# EAGLE board Mk4 Final Panel 6up 3x2 (EAGLE 9.0.1), part 10 of 18
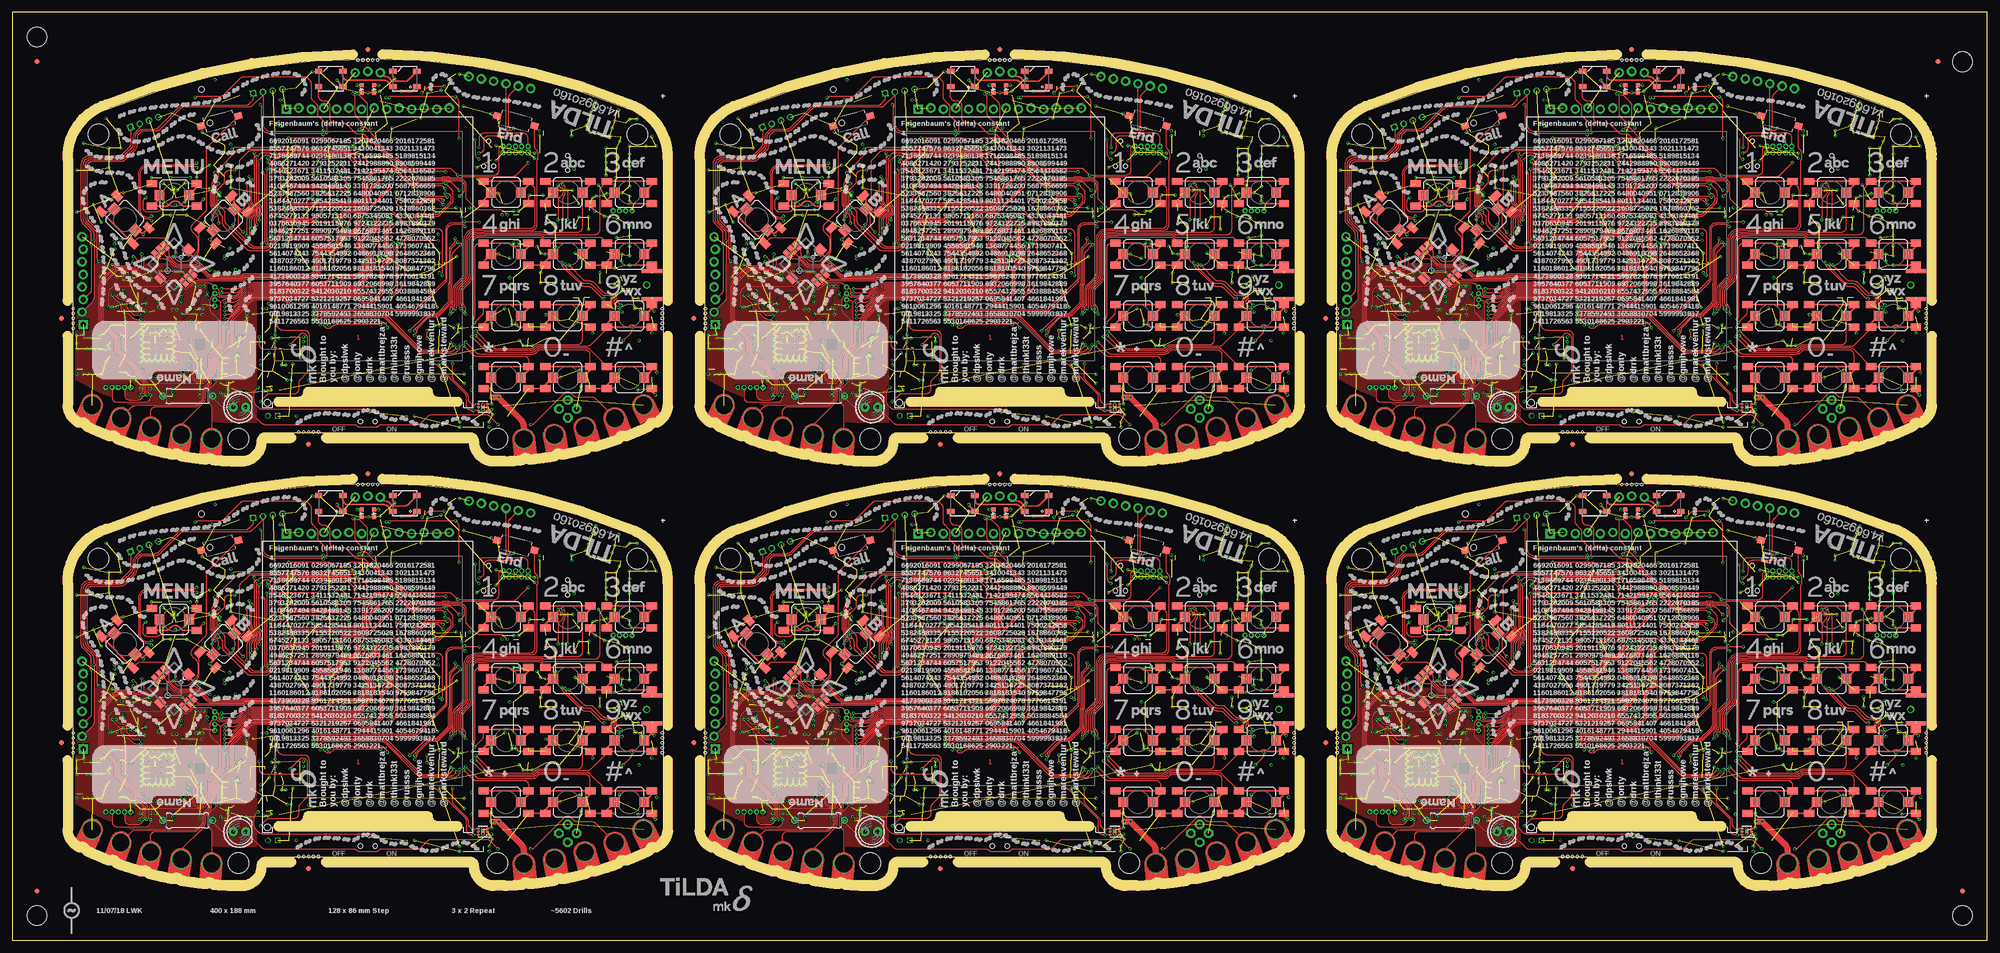
[diagram p0: board, top side]
## Tracks (layer width: path | path; a pad name or v marks a point on that pad's centre or on a via) (continued)
GND6  (via drill 0.3)  (433 unrouted) (continued)
  pour Bottom (no thermals): 299.9,112.8 299.9,110.3 arc-90 299.4,109.8 298.45,109.8 arc-90 297.95,110.3 297.95,117.65 arc-90 298.45,118.15 299.55,118.15 arc-90 300.05,117.65 300.05,114.1 arc90 300.55,113.6 301.8,113.6 301.85,113.55 301.85,112.9 301.75,112.8
  pour Top (rank 6): 268.2,137 268.2,114 arc34 305,105 305.5,105 305.5,137
GSM_ANT
  Bottom 0.4: L3.1 C72.2 123.26,49.6 arc45 122.56,49.31 121.59,48.34 arc-45 120.89,48.05 IC5.32
GSM_ANT1
  Bottom 0.4: L13.1 C173.2 251.26,49.6 arc45 250.56,49.31 249.59,48.34 arc-45 248.89,48.05 IC21.32
GSM_ANT2
  Bottom 0.4: L22.1 C281.2 123.26,135.6 arc45 122.56,135.31 121.59,134.34 arc-45 120.89,134.05 IC39.32
GSM_ANT3
  Bottom 0.4: L31.1 C389.2 251.26,135.6 arc45 250.56,135.31 249.59,134.34 arc-45 248.89,134.05 IC57.32
GSM_ANT4
  Bottom 0.4: L40.1 C497.2 379.26,49.6 arc45 378.56,49.31 377.59,48.34 arc-45 376.89,48.05 IC75.32
GSM_ANT6
  Bottom 0.4: L58.1 C713.2 379.26,135.6 arc45 378.56,135.31 377.59,134.34 arc-45 376.89,134.05 IC111.32
HDC_INT  (via drill 0.3)
  Top 0.15: v90.6,64.8 91.21,65.41 arc45 91.5,66.11 91.5,66.9 arc90 90.5,67.9 88.45,67.9 arc-45 88.31,67.96 88.2,68.07 arc45 88.06,68.12 87.54,68.12 arc45 87.4,68.07 87.29,67.96 arc-45 87.15,67.9 82.75,67.9 arc45 82.4,67.75 82.26,67.62 arc-45 81.91,67.47 81.44,67.47 arc-45 80.73,67.77 79.79,68.71 arc-45 79.5,69.41 79.5,69.53 arc45 79.21,70.23 78.31,71.13 arc45 77.96,71.28 arc-45 77.73,71.37 v77.6,71.5 | v81.5,36.6 arc-45 81.61,36.87 81.88,37.14 arc45 82.03,37.49 82.03,37.72 arc-45 82.17,38.07 84.11,40.01 arc-45 84.81,40.3 85.79,40.3 arc45 86.49,40.59 88.71,42.81 arc45 89,43.51 89,46.7 arc-45 89.03,46.77 89.1,46.83 arc45 89.12,46.9 89.12,52.81 arc-45 89.42,53.52 v90.8,54.9
  3V3@2 0.15: v90.8,54.9 90.8,57.2 89.1,58.9 89.1,64 90,64.9 90.5,64.9 v90.6,64.8
  Bottom 0.15: IC3.4 92.12,18 arc90 91.88,17.75 91.88,17.6 arc-90 91.62,17.35 90.8,17.35 arc-90 89.8,18.35 89.8,18.79 arc-45 90.09,19.49 90.34,19.74 arc-45 90.48,19.8 90.52,19.8 arc45 90.66,19.86 91.86,21.06 arc45 92.3,22.12 92.3,23.85 arc90 90.55,25.6 87.42,25.6 arc-45 86.53,25.97 81.57,30.93 arc-45 81.2,31.82 81.2,35.89 arc-45 v81.49,36.59 v81.5,36.6 | IC1.95 77.8,71.98 arc-45 v77.6,71.5
HDC_INT1  (via drill 0.3)
  Top 0.15: v218.6,64.8 219.21,65.41 arc45 219.5,66.11 219.5,66.9 arc90 218.5,67.9 216.45,67.9 arc-45 216.31,67.96 216.2,68.07 arc45 216.06,68.12 215.54,68.12 arc45 215.4,68.07 215.29,67.96 arc-45 215.15,67.9 210.75,67.9 arc45 210.4,67.75 210.26,67.62 arc-45 209.91,67.47 209.44,67.47 arc-45 208.73,67.77 207.79,68.71 arc-45 207.5,69.41 207.5,69.53 arc45 207.21,70.23 206.31,71.13 arc45 205.96,71.28 arc-45 205.73,71.37 v205.6,71.5 | v209.5,36.6 arc-45 209.61,36.87 209.88,37.14 arc45 210.03,37.49 210.03,37.72 arc-45 210.17,38.07 212.11,40.01 arc-45 212.81,40.3 213.79,40.3 arc45 214.49,40.59 216.71,42.81 arc45 217,43.51 217,46.7 arc-45 217.03,46.77 217.1,46.83 arc45 217.12,46.9 217.12,52.81 arc-45 217.42,53.52 v218.8,54.9
  3V3@2 0.15: v218.8,54.9 218.8,57.2 217.1,58.9 217.1,64 218,64.9 218.5,64.9 v218.6,64.8
  Bottom 0.15: IC35.4 220.12,18 arc90 219.88,17.75 219.88,17.6 arc-90 219.62,17.35 218.8,17.35 arc-90 217.8,18.35 217.8,18.79 arc-45 218.09,19.49 218.34,19.74 arc-45 218.48,19.8 218.52,19.8 arc45 218.66,19.86 219.86,21.06 arc45 220.3,22.12 220.3,23.85 arc90 218.55,25.6 215.42,25.6 arc-45 214.53,25.97 209.57,30.93 arc-45 209.2,31.82 209.2,35.89 arc-45 v209.49,36.59 v209.5,36.6 | IC20.95 205.8,71.98 arc-45 v205.6,71.5
HDC_INT2  (via drill 0.3)
  Top 0.15: v90.6,150.8 91.21,151.41 arc45 91.5,152.11 91.5,152.9 arc90 90.5,153.9 88.45,153.9 arc-45 88.31,153.96 88.2,154.07 arc45 88.06,154.12 87.54,154.12 arc45 87.4,154.07 87.29,153.96 arc-45 87.15,153.9 82.75,153.9 arc45 82.4,153.75 82.26,153.62 arc-45 81.91,153.47 81.44,153.47 arc-45 80.73,153.77 79.79,154.71 arc-45 79.5,155.41 79.5,155.53 arc45 79.21,156.24 78.31,157.13 arc45 77.96,157.28 arc-45 77.73,157.37 v77.6,157.5 | v81.5,122.6 arc-45 81.61,122.87 81.88,123.14 arc45 82.03,123.49 82.03,123.72 arc-45 82.17,124.07 84.11,126.01 arc-45 84.81,126.3 85.79,126.3 arc45 86.49,126.59 88.71,128.81 arc45 89,129.51 89,132.69 arc-45 89.03,132.76 89.1,132.83 arc45 89.12,132.9 89.12,138.81 arc-45 89.42,139.52 v90.8,140.9
  3V3@2 0.15: v90.8,140.9 90.8,143.2 89.1,144.9 89.1,150 90,150.9 90.5,150.9 v90.6,150.8
  Bottom 0.15: IC53.4 92.12,104 arc90 91.88,103.75 91.88,103.6 arc-90 91.62,103.35 90.8,103.35 arc-90 89.8,104.35 89.8,104.79 arc-45 90.09,105.49 90.34,105.74 arc-45 90.48,105.8 90.52,105.8 arc45 90.66,105.86 91.86,107.06 arc45 92.3,108.12 92.3,109.85 arc90 90.55,111.6 87.42,111.6 arc-45 86.53,111.97 81.57,116.93 arc-45 81.2,117.82 81.2,121.89 arc-45 v81.49,122.59 v81.5,122.6 | IC38.95 77.8,157.98 arc-45 v77.6,157.5
HDC_INT3  (via drill 0.3)
  Top 0.15: v218.6,150.8 219.21,151.41 arc45 219.5,152.11 219.5,152.9 arc90 218.5,153.9 216.45,153.9 arc-45 216.31,153.96 216.2,154.07 arc45 216.06,154.12 215.54,154.12 arc45 215.4,154.07 215.29,153.96 arc-45 215.15,153.9 210.75,153.9 arc45 210.4,153.75 210.26,153.62 arc-45 209.91,153.47 209.44,153.47 arc-45 208.73,153.77 207.79,154.71 arc-45 207.5,155.41 207.5,155.53 arc45 207.21,156.24 206.31,157.13 arc45 205.96,157.28 arc-45 205.73,157.37 v205.6,157.5 | v209.5,122.6 arc-45 209.61,122.87 209.88,123.14 arc45 210.03,123.49 210.03,123.72 arc-45 210.17,124.07 212.11,126.01 arc-45 212.81,126.3 213.79,126.3 arc45 214.49,126.59 216.71,128.81 arc45 217,129.51 217,132.69 arc-45 217.03,132.76 217.1,132.83 arc45 217.12,132.9 217.12,138.81 arc-45 217.42,139.52 v218.8,140.9
  3V3@2 0.15: v218.8,140.9 218.8,143.2 217.1,144.9 217.1,150 218,150.9 218.5,150.9 v218.6,150.8
  Bottom 0.15: IC71.4 220.12,104 arc90 219.88,103.75 219.88,103.6 arc-90 219.62,103.35 218.8,103.35 arc-90 217.8,104.35 217.8,104.79 arc-45 218.09,105.49 218.34,105.74 arc-45 218.48,105.8 218.52,105.8 arc45 218.66,105.86 219.86,107.06 arc45 220.3,108.12 220.3,109.85 arc90 218.55,111.6 215.42,111.6 arc-45 214.53,111.97 209.57,116.93 arc-45 209.2,117.82 209.2,121.89 arc-45 v209.49,122.59 v209.5,122.6 | IC56.95 205.8,157.98 arc-45 v205.6,157.5
HDC_INT4  (via drill 0.3)
  Top 0.15: v346.6,64.8 347.21,65.41 arc45 347.5,66.11 347.5,66.9 arc90 346.5,67.9 344.45,67.9 arc-45 344.31,67.96 344.2,68.07 arc45 344.06,68.12 343.54,68.12 arc45 343.4,68.07 343.29,67.96 arc-45 343.15,67.9 338.75,67.9 arc45 338.4,67.75 338.26,67.62 arc-45 337.91,67.47 337.44,67.47 arc-45 336.73,67.77 335.79,68.71 arc-45 335.5,69.41 335.5,69.53 arc45 335.21,70.23 334.31,71.13 arc45 333.96,71.28 arc-45 333.73,71.37 v333.6,71.5 | v337.5,36.6 arc-45 337.61,36.87 337.88,37.14 arc45 338.02,37.49 338.02,37.72 arc-45 338.17,38.07 340.11,40.01 arc-45 340.81,40.3 341.79,40.3 arc45 342.49,40.59 344.71,42.81 arc45 345,43.51 345,46.7 arc-45 345.03,46.77 345.1,46.83 arc45 345.12,46.9 345.12,52.81 arc-45 345.42,53.52 v346.8,54.9
  3V3@2 0.15: v346.8,54.9 346.8,57.2 345.1,58.9 345.1,64 346,64.9 346.5,64.9 v346.6,64.8
  Bottom 0.15: IC89.4 348.12,18 arc90 347.88,17.75 347.88,17.6 arc-90 347.62,17.35 346.8,17.35 arc-90 345.8,18.35 345.8,18.79 arc-45 346.09,19.49 346.34,19.74 arc-45 346.48,19.8 346.52,19.8 arc45 346.66,19.86 347.86,21.06 arc45 348.3,22.12 348.3,23.85 arc90 346.55,25.6 343.42,25.6 arc-45 342.53,25.97 337.57,30.93 arc-45 337.2,31.82 337.2,35.89 arc-45 v337.49,36.59 v337.5,36.6 | IC74.95 333.8,71.98 arc-45 v333.6,71.5
HDC_INT6  (via drill 0.3)
  Top 0.15: v346.6,150.8 347.21,151.41 arc45 347.5,152.11 347.5,152.9 arc90 346.5,153.9 344.45,153.9 arc-45 344.31,153.96 344.2,154.07 arc45 344.06,154.12 343.54,154.12 arc45 343.4,154.07 343.29,153.96 arc-45 343.15,153.9 338.75,153.9 arc45 338.4,153.75 338.26,153.62 arc-45 337.91,153.47 337.44,153.47 arc-45 336.73,153.77 335.79,154.71 arc-45 335.5,155.41 335.5,155.53 arc45 335.21,156.24 334.31,157.13 arc45 333.96,157.28 arc-45 333.73,157.37 v333.6,157.5 | v337.5,122.6 arc-45 337.61,122.87 337.88,123.14 arc45 338.02,123.49 338.02,123.72 arc-45 338.17,124.07 340.11,126.01 arc-45 340.81,126.3 341.79,126.3 arc45 342.49,126.59 344.71,128.81 arc45 345,129.51 345,132.69 arc-45 345.03,132.76 345.1,132.83 arc45 345.12,132.9 345.12,138.81 arc-45 345.42,139.52 v346.8,140.9
  3V3@2 0.15: v346.8,140.9 346.8,143.2 345.1,144.9 345.1,150 346,150.9 346.5,150.9 v346.6,150.8
  Bottom 0.15: IC125.4 348.12,104 arc90 347.88,103.75 347.88,103.6 arc-90 347.62,103.35 346.8,103.35 arc-90 345.8,104.35 345.8,104.79 arc-45 346.09,105.49 346.34,105.74 arc-45 346.48,105.8 346.52,105.8 arc45 346.66,105.86 347.86,107.06 arc45 348.3,108.12 348.3,109.85 arc90 346.55,111.6 343.42,111.6 arc-45 342.53,111.97 337.57,116.93 arc-45 337.2,117.82 337.2,121.89 arc-45 v337.49,122.59 v337.5,122.6 | IC110.95 333.8,157.98 arc-45 v333.6,157.5
HEADSET_DET  (via drill 0.3)
  Top 0.15: v37,84.75 arc-45 37.6,85 42.09,85 arc45 42.79,85.29 46.21,88.71 arc-45 46.91,89 59.09,89 arc-45 59.79,88.71 60.21,88.29 arc-45 60.5,87.59 60.5,84.91 arc45 60.79,84.21 61.55,83.45 arc-45 61.84,82.75 61.84,81.57 arc45 62.13,80.87 63.6,79.4 arc-45 63.69,79.19 v63.69,77.62
  3V3@2 0.15: v63.69,77.62 63.69,75.59 63.3,75.2 63.3,74.3 63.8,73.8 68.2,73.8 68.9,73.1 68.9,71.8 69.9,70.8 80.52,70.8 arc45 v81,71
  Bottom 0.15: IC1.98 80.52,70.8 arc45 v81,71
  Bottom 0.4: J9.7 36.42,84.17 v37,84.75
HEADSET_DET1  (via drill 0.3)
  Top 0.15: v165,84.75 arc-45 165.6,85 170.09,85 arc45 170.79,85.29 174.21,88.71 arc-45 174.91,89 187.09,89 arc-45 187.79,88.71 188.21,88.29 arc-45 188.5,87.59 188.5,84.91 arc45 188.79,84.21 189.55,83.45 arc-45 189.84,82.75 189.84,81.57 arc45 190.13,80.87 191.6,79.4 arc-45 191.69,79.19 v191.69,77.62
  3V3@2 0.15: v191.69,77.62 191.69,75.59 191.3,75.2 191.3,74.3 191.8,73.8 196.2,73.8 196.9,73.1 196.9,71.8 197.9,70.8 208.52,70.8 arc45 v209,71
  Bottom 0.15: IC20.98 208.52,70.8 arc45 v209,71
  Bottom 0.4: J17.7 164.43,84.17 v165,84.75
HEADSET_DET2  (via drill 0.3)
  Top 0.15: v37,170.75 arc-45 37.6,171 42.09,171 arc45 42.79,171.29 46.21,174.71 arc-45 46.91,175 59.09,175 arc-45 59.79,174.71 60.21,174.29 arc-45 60.5,173.59 60.5,170.91 arc45 60.79,170.21 61.55,169.45 arc-45 61.84,168.75 61.84,167.57 arc45 62.13,166.87 63.6,165.4 arc-45 63.69,165.19 v63.69,163.62
  3V3@2 0.15: v63.69,163.62 63.69,161.59 63.3,161.2 63.3,160.3 63.8,159.8 68.2,159.8 68.9,159.1 68.9,157.8 69.9,156.8 80.52,156.8 arc45 v81,157
  Bottom 0.15: IC38.98 80.52,156.8 arc45 v81,157
  Bottom 0.4: J27.7 36.42,170.18 v37,170.75
HEADSET_DET3  (via drill 0.3)
  Top 0.15: v165,170.75 arc-45 165.6,171 170.09,171 arc45 170.79,171.29 174.21,174.71 arc-45 174.91,175 187.09,175 arc-45 187.79,174.71 188.21,174.29 arc-45 188.5,173.59 188.5,170.91 arc45 188.79,170.21 189.55,169.45 arc-45 189.84,168.75 189.84,167.57 arc45 190.13,166.87 191.6,165.4 arc-45 191.69,165.19 v191.69,163.62
  3V3@2 0.15: v191.69,163.62 191.69,161.59 191.3,161.2 191.3,160.3 191.8,159.8 196.2,159.8 196.9,159.1 196.9,157.8 197.9,156.8 208.52,156.8 arc45 v209,157
  Bottom 0.15: IC56.98 208.52,156.8 arc45 v209,157
  Bottom 0.4: J37.7 164.43,170.18 v165,170.75
HEADSET_DET4  (via drill 0.3)
  Top 0.15: v293,84.75 arc-45 293.6,85 298.09,85 arc45 298.79,85.29 302.21,88.71 arc-45 302.91,89 315.09,89 arc-45 315.79,88.71 316.21,88.29 arc-45 316.5,87.59 316.5,84.91 arc45 316.79,84.21 317.55,83.45 arc-45 317.84,82.75 317.84,81.57 arc45 318.13,80.87 319.6,79.4 arc-45 319.69,79.19 v319.69,77.62
  3V3@2 0.15: v319.69,77.62 319.69,75.59 319.3,75.2 319.3,74.3 319.8,73.8 324.2,73.8 324.9,73.1 324.9,71.8 325.9,70.8 336.52,70.8 arc45 v337,71
  Bottom 0.15: IC74.98 336.52,70.8 arc45 v337,71
  Bottom 0.4: J47.7 292.43,84.17 v293,84.75
HEADSET_DET6  (via drill 0.3)
  Top 0.15: v293,170.75 arc-45 293.6,171 298.09,171 arc45 298.79,171.29 302.21,174.71 arc-45 302.91,175 315.09,175 arc-45 315.79,174.71 316.21,174.29 arc-45 316.5,173.59 316.5,170.91 arc45 316.79,170.21 317.55,169.45 arc-45 317.84,168.75 317.84,167.57 arc45 318.13,166.87 319.6,165.4 arc-45 319.69,165.19 v319.69,163.62
  3V3@2 0.15: v319.69,163.62 319.69,161.59 319.3,161.2 319.3,160.3 319.8,159.8 324.2,159.8 324.9,159.1 324.9,157.8 325.9,156.8 336.52,156.8 arc45 v337,157
  Bottom 0.15: IC110.98 336.52,156.8 arc45 v337,157
  Bottom 0.4: J67.7 292.43,170.18 v293,170.75
I2C4_SCL  (via drill 0.3)
  Top 0.15: v76,38.1 76,38.3 75.29,39.01 arc45 74.59,39.3 65.21,39.3 arc45 64.51,39.01 v64.1,38.6 63.78,38.92 arc90 62.72,38.92 v62.4,38.6 | v89.2,30.8 89.2,28.14 arc45 89.49,27.43 92.01,24.92 arc-45 92.3,24.21 92.3,23.71 arc45 92.59,23.01 v93.35,22.25 93.46,22.36 arc-45 94.16,22.65 IC17.4
  3V3@2 0.15: v59,58.7 58.3,59.4 58.3,63.8 58.55,64.05 58.55,66.55 59,67 61,67 63.4,69.4 65.95,69.4 66.5,68.85 67.05,68.85 67.5,69.3 v67.5,69.4
  Bottom 0.15: IC8.5 54,38.3 arc-90 55,39.3 57.38,39.3 arc-45 58.27,38.93 58.51,38.69 arc45 59.21,38.4 62.12,38.4 arc45 62.26,38.46 v62.4,38.6 | IC4.19 86.75,36.75 | IC16.1 88.25,33.5 88.28,33.52 | 88.28,33.52 arc90 88.28,34.23 87.04,35.46 arc-45 86.75,36.16 86.75,36.75 | 86.75,36.75 84.16,36.75 arc-45 83.46,37.04 82.69,37.81 arc45 81.99,38.1 v76,38.1 | v64.1,38.6 63.7,39 63.7,42.38 arc45 63.33,43.27 58.99,47.61 arc-45 58.7,48.31 58.7,57.99 arc-45 v58.99,58.69 v59,58.7 59.05,58.75 R22.1 | v89.2,30.8 89.2,32.39 arc45 89.05,32.75 88.28,33.52 | IC1.61 66.69,70 arc-45 67.05,69.85 v67.5,69.4 | IC3.6 92.72,20.88 arc45 92.7,20.95 92.63,21.02 arc-45 92.6,21.09 92.6,21.29 arc-45 92.75,21.65 v93.35,22.25
I2C4_SCL1  (via drill 0.3)
  Top 0.15: v204,38.1 204,38.3 203.29,39.01 arc45 202.59,39.3 193.21,39.3 arc45 192.51,39.01 v192.1,38.6 191.78,38.92 arc90 190.72,38.92 v190.4,38.6 | v217.2,30.8 217.2,28.14 arc45 217.49,27.43 220.01,24.92 arc-45 220.3,24.21 220.3,23.71 arc45 220.59,23.01 v221.35,22.25 221.46,22.36 arc-45 222.16,22.65 IC34.4
  3V3@2 0.15: v187,58.7 186.3,59.4 186.3,63.8 186.55,64.05 186.55,66.55 187,67 189,67 191.4,69.4 193.95,69.4 194.5,68.85 195.05,68.85 195.5,69.3 v195.5,69.4
  Bottom 0.15: IC24.5 182,38.3 arc-90 183,39.3 185.38,39.3 arc-45 186.27,38.93 186.51,38.69 arc45 187.21,38.4 190.12,38.4 arc45 190.26,38.46 v190.4,38.6 | IC31.19 214.75,36.75 | IC32.1 216.25,33.5 216.28,33.52 | 216.28,33.52 arc90 216.28,34.23 215.04,35.46 arc-45 214.75,36.16 214.75,36.75 | 214.75,36.75 212.16,36.75 arc-45 211.46,37.04 210.69,37.81 arc45 209.99,38.1 v204,38.1 | v192.1,38.6 191.7,39 191.7,42.38 arc45 191.33,43.27 186.99,47.61 arc-45 186.7,48.31 186.7,57.99 arc-45 v186.99,58.69 v187,58.7 187.05,58.75 R104.1 | v217.2,30.8 217.2,32.39 arc45 217.05,32.75 216.28,33.52 | IC20.61 194.69,70 arc-45 195.05,69.85 v195.5,69.4 | IC35.6 220.72,20.88 arc45 220.7,20.95 220.63,21.02 arc-45 220.6,21.09 220.6,21.29 arc-45 220.75,21.65 v221.35,22.25
I2C4_SCL2  (via drill 0.3)
  Top 0.15: v76,124.1 76,124.3 75.29,125.01 arc45 74.59,125.3 65.21,125.3 arc45 64.51,125.01 v64.1,124.6 63.78,124.92 arc90 62.72,124.92 v62.4,124.6 | v89.2,116.8 89.2,114.14 arc45 89.49,113.43 92.01,110.92 arc-45 92.3,110.21 92.3,109.71 arc45 92.59,109.01 v93.35,108.25 93.46,108.36 arc-45 94.16,108.65 IC52.4
  3V3@2 0.15: v59,144.7 58.3,145.4 58.3,149.8 58.55,150.05 58.55,152.55 59,153 61,153 63.4,155.4 65.95,155.4 66.5,154.85 67.05,154.85 67.5,155.3 v67.5,155.4
  Bottom 0.15: IC42.5 54,124.3 arc-90 55,125.3 57.38,125.3 arc-45 58.27,124.93 58.51,124.69 arc45 59.21,124.4 62.12,124.4 arc45 62.26,124.46 v62.4,124.6 | IC49.19 86.75,122.75 | IC50.1 88.25,119.5 88.28,119.53 | 88.28,119.53 arc90 88.28,120.22 87.04,121.46 arc-45 86.75,122.16 86.75,122.75 | 86.75,122.75 84.16,122.75 arc-45 83.46,123.04 82.69,123.81 arc45 81.99,124.1 v76,124.1 | v64.1,124.6 63.7,125 63.7,128.38 arc45 63.33,129.27 58.99,133.61 arc-45 58.7,134.31 58.7,143.99 arc-45 v58.99,144.69 v59,144.7 59.05,144.75 R182.1 | v89.2,116.8 89.2,118.39 arc45 89.05,118.75 88.28,119.53 | IC38.61 66.69,156 arc-45 67.05,155.85 v67.5,155.4 | IC53.6 92.72,106.88 arc45 92.7,106.95 92.63,107.02 arc-45 92.6,107.09 92.6,107.29 arc-45 92.75,107.65 v93.35,108.25
I2C4_SCL3  (via drill 0.3)
  Top 0.15: v204,124.1 204,124.3 203.29,125.01 arc45 202.59,125.3 193.21,125.3 arc45 192.51,125.01 v192.1,124.6 191.78,124.92 arc90 190.72,124.92 v190.4,124.6 | v217.2,116.8 217.2,114.14 arc45 217.49,113.43 220.01,110.92 arc-45 220.3,110.21 220.3,109.71 arc45 220.59,109.01 v221.35,108.25 221.46,108.36 arc-45 222.16,108.65 IC70.4
  3V3@2 0.15: v187,144.7 186.3,145.4 186.3,149.8 186.55,150.05 186.55,152.55 187,153 189,153 191.4,155.4 193.95,155.4 194.5,154.85 195.05,154.85 195.5,155.3 v195.5,155.4
  Bottom 0.15: IC60.5 182,124.3 arc-90 183,125.3 185.38,125.3 arc-45 186.27,124.93 186.51,124.69 arc45 187.21,124.4 190.12,124.4 arc45 190.26,124.46 v190.4,124.6 | IC67.19 214.75,122.75 | IC68.1 216.25,119.5 216.28,119.53 | 216.28,119.53 arc90 216.28,120.22 215.04,121.46 arc-45 214.75,122.16 214.75,122.75 | 214.75,122.75 212.16,122.75 arc-45 211.46,123.04 210.69,123.81 arc45 209.99,124.1 v204,124.1 | v192.1,124.6 191.7,125 191.7,128.38 arc45 191.33,129.27 186.99,133.61 arc-45 186.7,134.31 186.7,143.99 arc-45 v186.99,144.69 v187,144.7 187.05,144.75 R260.1 | v217.2,116.8 217.2,118.39 arc45 217.05,118.75 216.28,119.53 | IC56.61 194.69,156 arc-45 195.05,155.85 v195.5,155.4 | IC71.6 220.72,106.88 arc45 220.7,106.95 220.63,107.02 arc-45 220.6,107.09 220.6,107.29 arc-45 220.75,107.65 v221.35,108.25
I2C4_SCL4  (via drill 0.3)
  Top 0.15: v332,38.1 332,38.3 331.29,39.01 arc45 330.59,39.3 321.21,39.3 arc45 320.51,39.01 v320.1,38.6 319.78,38.92 arc90 318.72,38.92 v318.4,38.6 | v345.2,30.8 345.2,28.14 arc45 345.49,27.43 348.01,24.92 arc-45 348.3,24.21 348.3,23.71 arc45 348.59,23.01 v349.35,22.25 349.46,22.36 arc-45 350.16,22.65 IC88.4
  3V3@2 0.15: v315,58.7 314.3,59.4 314.3,63.8 314.55,64.05 314.55,66.55 315,67 317,67 319.4,69.4 321.95,69.4 322.5,68.85 323.05,68.85 323.5,69.3 v323.5,69.4
  Bottom 0.15: IC78.5 310,38.3 arc-90 311,39.3 313.38,39.3 arc-45 314.27,38.93 314.51,38.69 arc45 315.21,38.4 318.12,38.4 arc45 318.26,38.46 v318.4,38.6 | IC85.19 342.75,36.75 | IC86.1 344.25,33.5 344.27,33.52 | 344.27,33.52 arc90 344.27,34.23 343.04,35.46 arc-45 342.75,36.16 342.75,36.75 | 342.75,36.75 340.16,36.75 arc-45 339.46,37.04 338.69,37.81 arc45 337.99,38.1 v332,38.1 | v320.1,38.6 319.7,39 319.7,42.38 arc45 319.33,43.27 314.99,47.61 arc-45 314.7,48.31 314.7,57.99 arc-45 v314.99,58.69 v315,58.7 315.05,58.75 R338.1 | v345.2,30.8 345.2,32.39 arc45 345.05,32.75 344.27,33.52 | IC74.61 322.69,70 arc-45 323.05,69.85 v323.5,69.4 | IC89.6 348.73,20.88 arc45 348.7,20.95 348.63,21.02 arc-45 348.6,21.09 348.6,21.29 arc-45 348.75,21.65 v349.35,22.25
I2C4_SCL6  (via drill 0.3)
  Top 0.15: v332,124.1 332,124.3 331.29,125.01 arc45 330.59,125.3 321.21,125.3 arc45 320.51,125.01 v320.1,124.6 319.78,124.92 arc90 318.72,124.92 v318.4,124.6 | v345.2,116.8 345.2,114.14 arc45 345.49,113.43 348.01,110.92 arc-45 348.3,110.21 348.3,109.71 arc45 348.59,109.01 v349.35,108.25 349.46,108.36 arc-45 350.16,108.65 IC124.4
  3V3@2 0.15: v315,144.7 314.3,145.4 314.3,149.8 314.55,150.05 314.55,152.55 315,153 317,153 319.4,155.4 321.95,155.4 322.5,154.85 323.05,154.85 323.5,155.3 v323.5,155.4
  Bottom 0.15: IC114.5 310,124.3 arc-90 311,125.3 313.38,125.3 arc-45 314.27,124.93 314.51,124.69 arc45 315.21,124.4 318.12,124.4 arc45 318.26,124.46 v318.4,124.6 | IC121.19 342.75,122.75 | IC122.1 344.25,119.5 344.27,119.53 | 344.27,119.53 arc90 344.27,120.22 343.04,121.46 arc-45 342.75,122.16 342.75,122.75 | 342.75,122.75 340.16,122.75 arc-45 339.46,123.04 338.69,123.81 arc45 337.99,124.1 v332,124.1 | v320.1,124.6 319.7,125 319.7,128.38 arc45 319.33,129.27 314.99,133.61 arc-45 314.7,134.31 314.7,143.99 arc-45 v314.99,144.69 v315,144.7 315.05,144.75 R494.1 | v345.2,116.8 345.2,118.39 arc45 345.05,118.75 344.27,119.53 | IC110.61 322.69,156 arc-45 323.05,155.85 v323.5,155.4 | IC125.6 348.73,106.88 arc45 348.7,106.95 348.63,107.02 arc-45 348.6,107.09 348.6,107.29 arc-45 348.75,107.65 v349.35,108.25
I2C4_SDA  (via drill 0.3)
  Top 0.15: v84,36 v84,37.5 | v74.58,38.7 65.54,38.7 arc45 64.83,38.41 64.56,38.13 arc-45 64,37.9 arc-90 v63.3,38.6 | IC17.6 v93.35,21.35 93,21.35 arc-90 92,22.35 92,24.09 arc45 91.71,24.79 85.99,30.51 arc45 85.29,30.8 v84.8,30.8
  3V3@2 0.15: v58,58.7 58,64 58.25,64.25 58.25,66.75 59,67.5 61,67.5 63.25,69.75 66.35,69.75 v66.7,69.4
  Bottom 0.15: IC8.6 arc-90 55.45,39 57.36,39 arc-45 58.07,38.71 58.31,38.47 arc45 59.19,38.1 61.82,38.1 arc-45 61.96,38.04 62.04,37.96 arc45 62.18,37.9 62.6,37.9 arc90 v63.3,38.6 63.4,38.7 63.4,42.34 arc45 63.11,43.04 58.69,47.46 arc-45 58.4,48.16 58.4,57.89 arc45 58.11,58.59 v58,58.7 arc45 58.1,58.94 58.1,59.7 R21.1 | IC4.20 86.92,37.25 86.89,37.23 84.66,37.23 arc-45 v84,37.5 83.39,38.11 arc45 82.69,38.4 76.71,38.4 arc-45 76.35,38.55 76.35,38.55 arc45 75.99,38.7 v74.58,38.7 | IC16.6 86.16,33.5 arc-45 85.46,33.79 84.8,34.45 | 84.8,34.45 84.29,34.96 arc-45 84,35.66 v84,36 | v84.8,30.8 84.8,34.45 | IC1.60 66.29,69.6 arc-45 66.65,69.45 v66.7,69.4 | IC3.1 95.47,20.06 arc45 95.18,20.77 94.89,21.06 arc45 94.19,21.35 v93.35,21.35
I2C4_SDA1  (via drill 0.3)
  Top 0.15: v212,36 v212,37.5 | v202.58,38.7 193.54,38.7 arc45 192.83,38.41 192.56,38.13 arc-45 192,37.9 arc-90 v191.3,38.6 | IC34.6 v221.35,21.35 221,21.35 arc-90 220,22.35 220,24.09 arc45 219.71,24.79 213.99,30.51 arc45 213.29,30.8 v212.8,30.8
  3V3@2 0.15: v186,58.7 186,64 186.25,64.25 186.25,66.75 187,67.5 189,67.5 191.25,69.75 194.35,69.75 v194.7,69.4
  Bottom 0.15: IC24.6 arc-90 183.45,39 185.36,39 arc-45 186.07,38.71 186.31,38.47 arc45 187.19,38.1 189.82,38.1 arc-45 189.96,38.04 190.04,37.96 arc45 190.18,37.9 190.6,37.9 arc90 v191.3,38.6 191.4,38.7 191.4,42.34 arc45 191.11,43.04 186.69,47.46 arc-45 186.4,48.16 186.4,57.89 arc45 186.11,58.59 v186,58.7 arc45 186.1,58.94 186.1,59.7 R103.1 | IC31.20 214.92,37.25 214.89,37.23 212.66,37.23 arc-45 v212,37.5 211.39,38.11 arc45 210.69,38.4 204.71,38.4 arc-45 204.35,38.55 204.35,38.55 arc45 203.99,38.7 v202.58,38.7 | IC32.6 214.16,33.5 arc-45 213.46,33.79 212.8,34.45 | 212.8,34.45 212.29,34.96 arc-45 212,35.66 v212,36 | v212.8,30.8 212.8,34.45 | IC20.60 194.29,69.6 arc-45 194.65,69.45 v194.7,69.4 | IC35.1 223.47,20.06 arc45 223.18,20.77 222.89,21.06 arc45 222.19,21.35 v221.35,21.35
I2C4_SDA2  (via drill 0.3)
  Top 0.15: v84,122 v84,123.5 | v74.58,124.7 65.54,124.7 arc45 64.83,124.41 64.56,124.13 arc-45 64,123.9 arc-90 v63.3,124.6 | IC52.6 v93.35,107.35 93,107.35 arc-90 92,108.35 92,110.09 arc45 91.71,110.79 85.99,116.51 arc45 85.29,116.8 v84.8,116.8
  3V3@2 0.15: v58,144.7 58,150 58.25,150.25 58.25,152.75 59,153.5 61,153.5 63.25,155.75 66.35,155.75 v66.7,155.4
  Bottom 0.15: IC42.6 arc-90 55.45,125 57.36,125 arc-45 58.07,124.71 58.31,124.47 arc45 59.19,124.1 61.82,124.1 arc-45 61.96,124.04 62.04,123.96 arc45 62.18,123.9 62.6,123.9 arc90 v63.3,124.6 63.4,124.7 63.4,128.34 arc45 63.11,129.04 58.69,133.46 arc-45 58.4,134.16 58.4,143.89 arc45 58.11,144.59 v58,144.7 arc45 58.1,144.94 58.1,145.7 R181.1 | IC49.20 86.92,123.25 86.89,123.22 84.66,123.22 arc-45 v84,123.5 83.39,124.11 arc45 82.69,124.4 76.71,124.4 arc-45 76.35,124.55 76.35,124.55 arc45 75.99,124.7 v74.58,124.7 | IC50.6 86.16,119.5 arc-45 85.46,119.79 84.8,120.45 | 84.8,120.45 84.29,120.96 arc-45 84,121.66 v84,122 | v84.8,116.8 84.8,120.45 | IC38.60 66.29,155.6 arc-45 66.65,155.45 v66.7,155.4 | IC53.1 95.47,106.06 arc45 95.18,106.77 94.89,107.06 arc45 94.19,107.35 v93.35,107.35
I2C4_SDA3  (via drill 0.3)
  Top 0.15: v212,122 v212,123.5 | v202.58,124.7 193.54,124.7 arc45 192.83,124.41 192.56,124.13 arc-45 192,123.9 arc-90 v191.3,124.6 | IC70.6 v221.35,107.35 221,107.35 arc-90 220,108.35 220,110.09 arc45 219.71,110.79 213.99,116.51 arc45 213.29,116.8 v212.8,116.8
  3V3@2 0.15: v186,144.7 186,150 186.25,150.25 186.25,152.75 187,153.5 189,153.5 191.25,155.75 194.35,155.75 v194.7,155.4
  Bottom 0.15: IC60.6 arc-90 183.45,125 185.36,125 arc-45 186.07,124.71 186.31,124.47 arc45 187.19,124.1 189.82,124.1 arc-45 189.96,124.04 190.04,123.96 arc45 190.18,123.9 190.6,123.9 arc90 v191.3,124.6 191.4,124.7 191.4,128.34 arc45 191.11,129.04 186.69,133.46 arc-45 186.4,134.16 186.4,143.89 arc45 186.11,144.59 v186,144.7 arc45 186.1,144.94 186.1,145.7 R259.1 | IC67.20 214.92,123.25 214.89,123.22 212.66,123.22 arc-45 v212,123.5 211.39,124.11 arc45 210.69,124.4 204.71,124.4 arc-45 204.35,124.55 204.35,124.55 arc45 203.99,124.7 v202.58,124.7 | IC68.6 214.16,119.5 arc-45 213.46,119.79 212.8,120.45 | 212.8,120.45 212.29,120.96 arc-45 212,121.66 v212,122 | v212.8,116.8 212.8,120.45 | IC56.60 194.29,155.6 arc-45 194.65,155.45 v194.7,155.4 | IC71.1 223.47,106.06 arc45 223.18,106.77 222.89,107.06 arc45 222.19,107.35 v221.35,107.35
I2C4_SDA4  (via drill 0.3)
  Top 0.15: v340,36 v340,37.5 | v330.58,38.7 321.54,38.7 arc45 320.83,38.41 320.56,38.13 arc-45 320,37.9 arc-90 v319.3,38.6 | IC88.6 v349.35,21.35 349,21.35 arc-90 348,22.35 348,24.09 arc45 347.71,24.79 341.99,30.51 arc45 341.29,30.8 v340.8,30.8
  3V3@2 0.15: v314,58.7 314,64 314.25,64.25 314.25,66.75 315,67.5 317,67.5 319.25,69.75 322.35,69.75 v322.7,69.4